# Altium PCB PortiloopV2Altium_PCB.PcbDoc
Units mm, origin at the board's own origin, x right, y up, seen from the top; angles counter-clockwise.
Board outline 64 x 48 mm, 2 copper layers (Top Layer, Bottom Layer), stack 0.711 mm thick; 82 components, 65 nets, 336 pads, 49 vias.
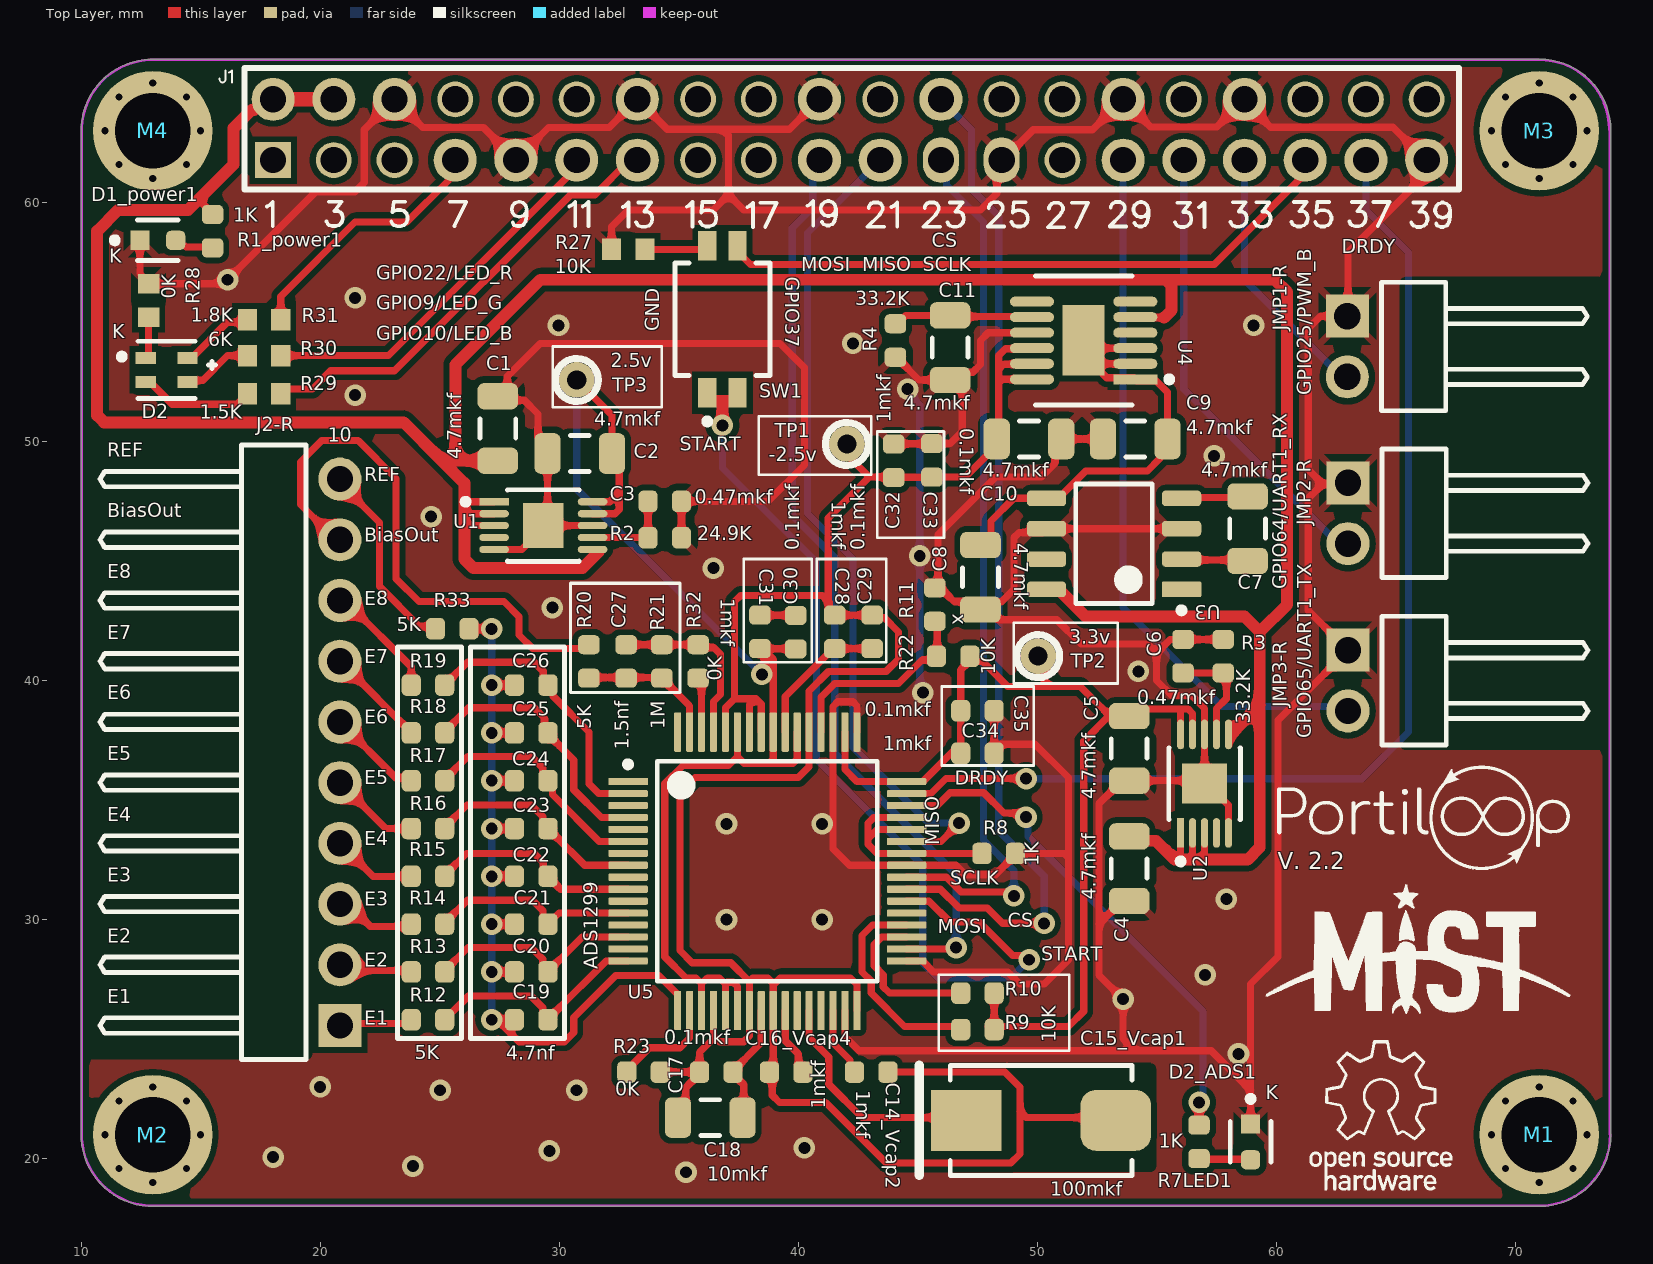
[diagram p0: Top Layer view]
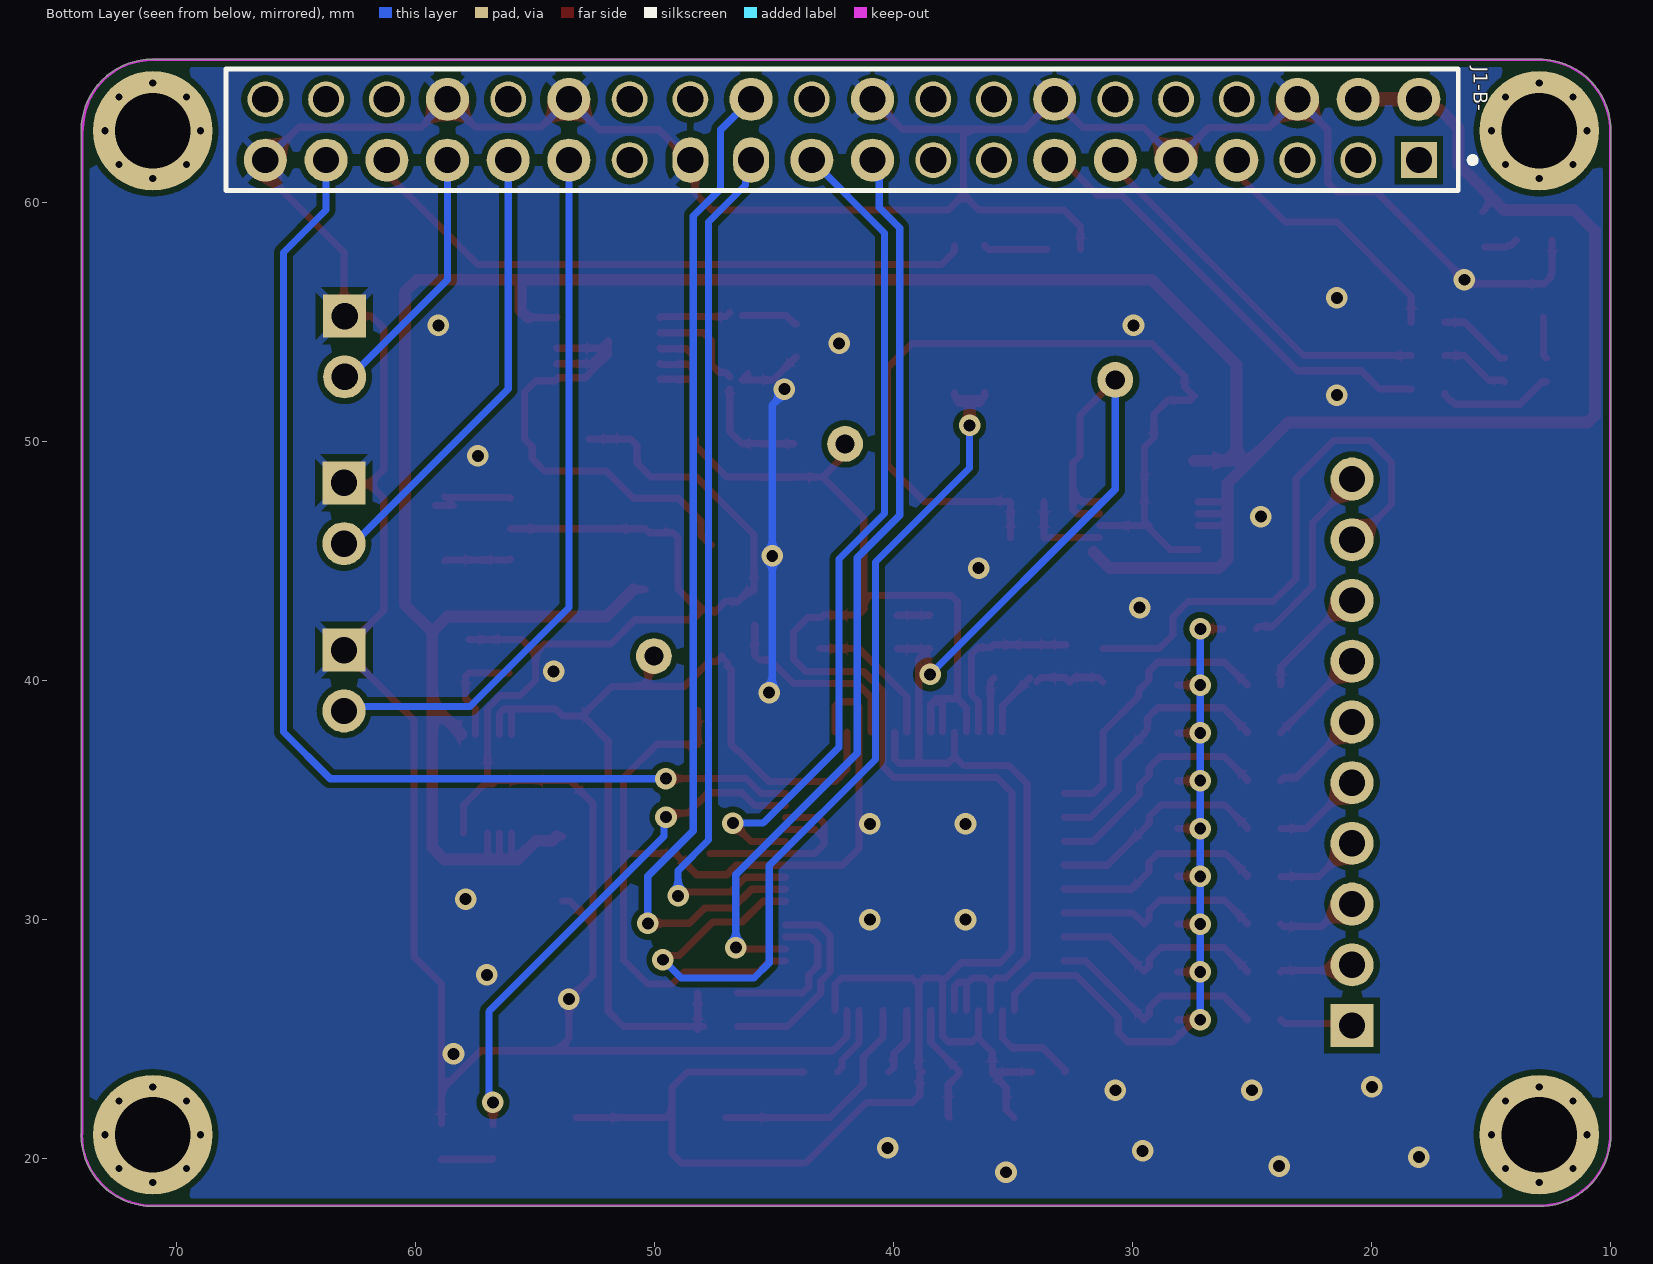
[diagram p1: Bottom Layer view, seen from below]

## Layer stack, top to bottom
Top Solder: solder mask 0.0102, Solder Resist, Dk 3.5
Top Layer: signal copper 0.0356
Dielectric 2: dielectric 0.32, FR-4, Dk 4.8
Dielectric 1: dielectric 0.32, FR-4, Dk 4.8
Bottom Layer: signal copper 0.0356
Bottom Solder: solder mask 0.0102, Solder Resist, Dk 3.5

## Board outline
10,21.065 10,62.991 9.999,62.992 cw(c13,63) 12.903,66 71,66 cw(c71,63) 74,63 74,21 cw(c71,21) 71,18 13.064,18 cw(c13,21)

## Design rules (kind name [scope] priority, off if disabled: settings)
Clearance [All] p1: gap=0.254 ignorepadtopadclearanceinfootprint=TRUE except(0.2: Track-Track Track-SMDPad SMDPad-SMDPad; 0.5: THPad-THPad)
ComponentClearance [All] p1: gap=0.3 collisioncheckmode=3 verticalgap=0.254 showdistances=TRUE checkcomponentboundary=TRUE
DiffPairsRouting [All] p1: maxlimit=0.4 minlimit=0.3 mostfreqgap=0.3 toplayer_minwidth=0.3 toplayer_maxwidth=0.6 toplayer_prefwidth=0.4 bottomlayer_minwidth=0.3 bottomlayer_maxwidth=0.6 bottomlayer_prefwidth=0.4 maxuncoupledlength=12.7
HoleSize [All] p1: absolutevalues=TRUE maxlimit=6.3 minlimit=0.15 maxpercent=80.000 minpercent=20.000
HoleToHoleClearance [All] p1: gap=0.5 allowstackedmicrovias=TRUE
MinimumSolderMaskSliver [All] p1: minsoldermaskwidth=0.3
PlaneClearance [All] p1: clearance=0.3
PlaneConnect [All] p1: planeconnectstyle=Relief reliefexpansion=0.5 reliefentries=4 reliefconductorwidth=0.3 reliefairgap=0.3
PolygonConnect [All] p1: connectstyle=Relief reliefconductorwidth=0.3 reliefentries=4 polygonreliefangle="45 Angle" airgapwidth=0.3
RoutingVias [All] p1: holewidth=0.5 width=0.9 viastyle="Through Hole" minholewidth=0.5 minwidth=0.9 maxholewidth=0.8 maxwidth=1
SilkToSilkClearance [All] p1: silktosilkclearance=0.26
SilkToSolderMaskClearance [IsPad] p1: minsilkscreentomaskgap=0.3 clearancetoexposedcopper=TRUE
SolderMaskExpansion [All] p1: expansion=0.1 istentingtop=FALSE
Width [All] p1: maxlimit=0.6 minlimit=0.3 preferedwidth=0.3
21 further rules are at their usual default settings.

## Components (designator, comment, footprint, x,y, rotation, side; value= is the part's Value field where it differs from the comment)
C1 "4.7mkf" C1206 27.432,50.546 r270 top value=4.7uF
C2 "4.7mkf" C1206 30.861,49.5 r0 top value=4.7uF
C3 "0.47mkf" 1608[0603]#1 34.417,47.498 r180 top value=0.47uF
C4 "4.7mkf" C1206 53.848,32.131 r90 top value=4.7uF
C5 "4.7mkf" C1206 53.848,37.164 r90 top value=4.7uF
C6 "0.47mkf" 1608[0603]#1 56.1,41.021 r90 top value=0.47uF
C7 "4.7mkf" C1206 58.801,46.355 r270 top value=4.7uF
C8 "4.7mkf" C1206 47.625,44.323 r90 top value=4.7uF
C9 "4.7mkf" C1206 54.101,50.109 r0 top value=4.7uF
C10 "4.7mkf" C1206 49.656,50.109 r180 top value=4.7uF
C11 "4.7mkf" C1206 46.355,53.928 r90 top value=4.7uF
C14_Vcap2 "1mkf" 1608[0603]#1 43.053,23.622 r180 top value=1uF
C15_Vcap1 "100mkf" KEMT-T491-D_M 50.165,21.6 r0 top
C16_Vcap4 "1mkf" 1608[0603]#1 39.497,23.622 r0 top value=1uF
C17 "0.1mkf" 1608[0603]#1 36.576,23.622 r180 top value=0.1uF
C18 "10mkf" C1206 36.322,21.717 r0 top value=10uF
C19 "4.7nf" 1608[0603]#1 28.829,25.81 r0 top value=4.7nF
C20 "4.7nf" 1608[0603]#1 28.829,27.81 r0 top value=4.7nF
C21 "4.7nf" 1608[0603]#1 28.829,29.81 r0 top value=4.7nF
C22 "4.7nf" 1608[0603]#1 28.829,31.81 r0 top value=4.7nF
C23 "4.7nf" 1608[0603]#1 28.829,33.81 r0 top value=4.7nF
C24 "4.7nf" 1608[0603]#1 28.829,35.81 r0 top value=4.7nF
C25 "4.7nf" 1608[0603]#1 28.829,37.81 r0 top value=4.7nF
C26 "4.7nf" 1608[0603]#1 28.829,39.81 r0 top value=4.7nF
C27 "1.5nf" 1608[0603]#1 32.8,40.8 r270 top value=1.5nF
C28 "1mkf" 1608[0603]#1 41.529,42.037 r270 top value=1uF
C29 "0.1mkf" 1608[0603]#1 43.1,42.037 r270 top value=0.1uF
C30 "0.1mkf" 1608[0603]#1 39.9,42.027 r270 top value=0.1uF
C31 "1mkf" 1608[0603]#1 38.4,42.037 r270 top value=1uF
C32 "1mkf" 1608[0603]#1 44,49.195 r270 top value=1uF
C33 "0.1mkf" 1608[0603]#1 45.593,49.214 r270 top value=0.1uF
C34 "1mkf" 1608[0603]#1 47.498,36.957 r180 top value=1uF
C35 "0.1mkf" 1608[0603]#1 47.498,38.735 r180 top value=0.1uF
D1_power1 "LTST-C190GKT" FP-LTST-C190GKT-MFG 13.208,58.42 r0 top
D2 "APTF1616SEJ3ZGGVBDC" FP-APTF1616SEJ3ZGGVBDC-MFG 13.575,53 r0 top
D2_ADS1 "LTST-C190GKT" FP-LTST-C190GKT-MFG 58.928,20.701 r270 top
J1-B- "SSQ-120-03-G-D" FP-SSQ-120-03-G-D-MFG 42.162,63.045 r180 bottom
J2-R "61301011021" 61301011021 18.058,37 r270 top
JMP1-R "61300211021" 61300211021 65.745,53.975 r90 top
JMP2-R "61300211021" 61300211021 65.77,47 r90 top
JMP3-R "61300211021" 61300211021 65.77,40 r90 top
M1 "Screw" "Board Screw_No Silk" 71,21 r0 top
M2 "Screw" "Board Screw_No Silk" 13,21 r0 top
M3 "Screw" "Board Screw_No Silk" 71,63 r0 top
M4 "Screw" "Board Screw_No Silk" 13,63 r0 top
R1_power1 "1K" 1608[0603]#1 15.5,58.8 r90 top
R2 "24.9K" 1608[0603]#1 34.417,45.974 r0 top
R3 "33.2K" 1608[0603]#1 57.785,41.021 r90 top
R4 "33.2K" 1608[0603]#1 44.069,54.229 r270 top
R7LED1 "1K" 1608[0603]#1 56.769,20.701 r270 top
R8 "1K" 1608[0603]#1 48.387,32.766 r0 top
R9 "10K" 1608[0603]#1 47.5,25.4 r180 top
R10 "10K" 1608[0603]#1 47.5,26.924 r180 top
R11 "x" 1608[0603]#1 45.72,43.18 r270 top
R12 "5K" 1608[0603]#1 24.511,25.81 r0 top
R13 "5K" 1608[0603]#1 24.511,27.81 r0 top
R14 "5K" 1608[0603]#1 24.511,29.81 r0 top
R15 "5K" 1608[0603]#1 24.511,31.81 r0 top
R16 "5K" 1608[0603]#1 24.511,33.81 r0 top
R17 "5K" 1608[0603]#1 24.511,35.81 r0 top
R18 "5K" 1608[0603]#1 24.511,37.81 r0 top
R19 "5K" 1608[0603]#1 24.511,39.81 r0 top
R20 "5K" 1608[0603]#1 31.242,40.8 r270 top
R21 "1M" 1608[0603]#1 34.3,40.8 r90 top
R22 "10K" 1608[0603]#1 46.482,41.021 r180 top
R23 "0K" 1608[0603]#1 33.528,23.622 r0 top
R27 "10K" 1608[0603]#2 32.893,58.039 r0 top
R28 "0K" 1608[0603]#2 12.822,55.9 r270 top
R29 "1.5K" 1608[0603]#2 17.653,52 r0 top
R30 "6K" 1608[0603]#2 17.653,53.594 r0 top
R31 "1.8K" 1608[0603]#2 17.653,55.1 r0 top
R32 "0K" 1608[0603]#1 35.814,40.8 r90 top
R33 "5K" 1608[0603]#1 25.527,42.164 r0 top
SW1 "A6H-2102" FP-A6H-2102-MFG 36.83,55.118 r0 top
TP1 "-2.5v" TESTPOINT1 42.037,49.9 r0 top
TP2 "3.3v" TESTPOINT1 50.038,41.021 r180 top
TP3 "2.5v" TESTPOINT1 30.734,52.578 r0 top
U1 "LT3042xMSE" FP-MSE-10-05-08-1664-IPC_C 29.337,46.482 r0 top
U2 "LT3042xMSE" FP-MSE-10-05-08-1664-IPC_C 57,35.687 r90 top
U3 "LM2662MX/NOPB" D0008A_M 53.213,45.72 r180 top
U4 "LT3094xMSE" FP-MSE-12-05-08-1666-IPC_A 51.943,54.229 r180 top
U5 "ADS1299" PAG0064A_M 38.707,32.021 r0 top

## Footprints (in the part's own frame and the unit in brackets; to place one, negate y for a bottom-side part, rotate by r counter-clockwise, add the part's x,y. Pads: shape width x height; smd on the part's side, far side on the other; paste and mask are expansions set on the pad)
1608[0603]#1 [mm] "Chip Capacitor, Body 1.6x0.8mm, IPC High Density"
  rrect50% 0.8x0.9 smd: 1(-0.7,0) 2(0.7,0)
  body extent -0.87,-0.48 0.87,0.48, height 1.3
1608[0603]#2 [mm]
  rect 0.8x0.9 smd: 1(-0.7,0) 2(0.7,0)
  body extent -0.87,-0.48 0.87,0.48, height 1.3
61300211021 [mm] "Pin Header, pitch 2.54 mm, THT, Angled, single row, 2p"
  rect 1.8x1.8 hole 1.1: 1(1.27,2.77)
  round 1.8 hole 1.1: 2(-1.27,2.77)
  silkscreen extent -2.69,-7.27 2.69,1.35, body extent -2.54,-7.27 2.54,3.09, height 2.58
61301011021 [mm] "Pin Header, pitch 2.54 mm, THT, Angled, single row, 10p"
  rect 1.8x1.8 hole 1.1: 1(11.43,2.77)
  round 1.8 hole 1.1: 2(8.89,2.77) 3(6.35,2.77) 4(3.81,2.77) 5(1.27,2.77) 6(-1.27,2.77) 7(-3.81,2.77) 8(-6.35,2.77) 9(-8.89,2.77) 10(-11.43,2.77)
  silkscreen extent -12.85,-7.27 12.85,1.35, body extent -12.7,-7.27 12.7,3.09, height 2.58
"Board Screw_No Silk" [mm]
  round 0.6 hole 0.3: S(-2,0) S(-1.414,-1.414) S(-1.414,1.414) S(0,-2) S(0,2) S(1.414,-1.414) S(1.414,1.414) S(2,0)
  round 5 hole 3.15 mask+0.1: S(0,0)
C1206 [mm] "Chip Capacitor, Body 3.2x1.6mm, IPC High Density"
  rrect50% 1.1x1.7 smd: 1(-1.35,0) 2(1.35,0)
  silkscreen extent -0.4,-0.75 0.4,0.75, body extent -1.7,-0.9 1.7,0.9, height 1.3
D0008A_M [mm] "SOIC, 8-Leads, Body 5x4mm, Pitch 1.27mm, IPC Low Density"
  rrect15% 1.65x0.65 smd: 1(-2.825,1.905)
  rrect50% 1.65x0.65 smd: 2(-2.825,0.635) 3(-2.825,-0.635) 4(-2.825,-1.905) 5(2.825,-1.905) 6(2.825,-0.635) 7(2.825,0.635) 8(2.825,1.905)
  silkscreen extent -2.95,-2.5 1.6,2.9, body extent -3,-2.45 3,2.45, height 1.63
FP-A6H-2102-MFG [mm]
  rect 0.76x1.25 smd paste+0 mask+0: 1(-0.635,-3.075) 2(0.635,-3.075) 3(0.635,3.075) 4(-0.635,3.075)
  silkscreen extent -1.98,-4.4 1.98,2.35, body extent -2.08,-3.8 2.08,3.8, height 0.25
FP-APTF1616SEJ3ZGGVBDC-MFG [mm]
  rect 0.85x0.5 smd paste+0 mask+0: 1(-0.875,0.5) 2(0.875,0.5) 3(0.875,-0.5) 4(-0.875,-0.5)
  silkscreen extent -2,-1.2 2.05,1.2, body extent -1.4,-1 1.4,1, height 0.25
FP-LTST-C190GKT-MFG [mm]
  rect 0.8x0.8 smd paste+0 mask+0: 1(-0.75,0)
  rrect50% 0.8x0.8 smd paste+0 mask+0: 2(0.75,0)
  silkscreen extent -1.92,-0.85 0.85,0.85, body extent -1.25,-0.55 1.25,0.55, height 0.25
FP-MSE-10-05-08-1664-IPC_C [mm]
  rect 1.24x0.3 smd paste+0 mask+0: 1(-2.06,1)
  rrect100% 1.24x0.3 smd paste+0 mask+0: 2(-2.06,0.5) 3(-2.06,0) 4(-2.06,-0.5) 5(-2.06,-1) 6(2.06,-1) 7(2.06,-0.5) 8(2.06,0) 9(2.06,0.5) 10(2.06,1)
  rect 1.68x1.88 smd paste-1000 mask+0: 11(0,0)
  silkscreen extent -3.37,-1.5 1.5,1.5, body extent -2.78,-1.6 2.78,1.6, height 0.25
FP-MSE-12-05-08-1666-IPC_A [mm]
  rect 1.84x0.42 smd paste+0 mask+0: 1(-2.16,1.625)
  rrect100% 1.84x0.42 smd paste+0 mask+0: 2(-2.16,0.975) 3(-2.16,0.325) 4(-2.16,-0.325) 5(-2.16,-0.975) 6(-2.16,-1.625) 7(2.16,-1.625) 8(2.16,-0.975) 9(2.16,-0.325) 10(2.16,0.325) 11(2.16,0.975) 12(2.16,1.625)
  rect 1.753x2.947 smd paste-1000 mask+0: 13(0,0)
  silkscreen extent -3.71,-2.7 2.02,2.7, body extent -3.58,-2.52 3.58,2.52, height 0.25
FP-SSQ-120-03-G-D-MFG [mm]
  rect 1.5x1.5 hole 1.1 paste-1000 mask+0: 1(24.13,-1.27)
  round 1.8 hole 1.1 paste-1000 mask+0: 2(24.13,1.27) 4(21.59,1.27) 6(19.05,1.27) 7(16.51,-1.27) 9(13.97,-1.27) 11(11.43,-1.27) 13(8.89,-1.27) 14(8.89,1.27) 19(1.27,-1.27) 20(1.27,1.27) 21(-1.27,-1.27) 24(-3.81,1.27) 29(-11.43,-1.27) 30(-11.43,1.27) 31(-13.97,-1.27) 33(-16.51,-1.27) 34(-16.51,1.27) 35(-19.05,-1.27) 37(-21.59,-1.27) 39(-24.13,-1.27)
  round 1.5 hole 1.1 paste-1000 mask+0: 3(21.59,-1.27) 5(19.05,-1.27) 8(16.51,1.27) 10(13.97,1.27) 12(11.43,1.27) 15(6.35,-1.27) 16(6.35,1.27) 17(3.81,-1.27) 18(3.81,1.27) 22(-1.27,1.27) 26(-6.35,1.27) 27(-8.89,-1.27) 28(-8.89,1.27) 32(-13.97,1.27) 36(-19.05,1.27) 38(-21.59,1.27) 40(-24.13,1.27)
  oval 1.5x1.9 hole 1.1 paste-1000 mask+0: 23(-3.81,-1.27) 25(-6.35,-1.27)
  silkscreen extent -25.78,-2.54 26.5,2.54, body extent -25.66,-2.48 25.66,2.47, height 8.64
KEMT-T491-D_M [mm] "Molded Capacitor, 2-Leads, Body 7.60x4.60mm, IPC Low Density"
  rect 2.95x2.55 smd: 1(-3.125,0)
  rrect50% 2.95x2.55 smd: 2(3.125,0)
  silkscreen extent -5.1,-2.3 3.8,2.3, body extent -3.8,-2.3 3.8,2.3, height 3.1
PAG0064A_M [mm] "QFP, 64-Leads, Body 10x10mm, Pitch 0.5mm, IPC Low Density"
  rect 1.65x0.3 smd: 1(-5.825,3.75)
  rrect33% 1.65x0.3 smd: 2(-5.825,3.25) 3(-5.825,2.75) 4(-5.825,2.25) 5(-5.825,1.75) 6(-5.825,1.25) 7(-5.825,0.75) 8(-5.825,0.25) 9(-5.825,-0.25) 10(-5.825,-0.75) 11(-5.825,-1.25) 12(-5.825,-1.75) 13(-5.825,-2.25) 14(-5.825,-2.75) 15(-5.825,-3.25) 16(-5.825,-3.75) 33(5.825,-3.75) 34(5.825,-3.25) 35(5.825,-2.75) 36(5.825,-2.25) 37(5.825,-1.75) 38(5.825,-1.25) 39(5.825,-0.75) 40(5.825,-0.25) 41(5.825,0.25) 42(5.825,0.75) 43(5.825,1.25) 44(5.825,1.75) 45(5.825,2.25) 46(5.825,2.75) 47(5.825,3.25) 48(5.825,3.75)
  rrect33% 0.3x1.65 smd: 17(-3.75,-5.825) 18(-3.25,-5.825) 19(-2.75,-5.825) 20(-2.25,-5.825) 21(-1.75,-5.825) 22(-1.25,-5.825) 23(-0.75,-5.825) 24(-0.25,-5.825) 25(0.25,-5.825) 26(0.75,-5.825) 27(1.25,-5.825) 28(1.75,-5.825) 29(2.25,-5.825) 30(2.75,-5.825) 31(3.25,-5.825) 32(3.75,-5.825) 49(3.75,5.825) 50(3.25,5.825) 51(2.75,5.825) 52(2.25,5.825) 53(1.75,5.825) 54(1.25,5.825) 55(0.75,5.825) 56(0.25,5.825) 57(-0.25,5.825) 58(-0.75,5.825) 59(-1.25,5.825) 60(-1.75,5.825) 61(-2.25,5.825) 62(-2.75,5.825) 63(-3.25,5.825) 64(-3.75,5.825)
  silkscreen extent -5.95,-4.6 4.6,4.6, body extent -6,-6 6,6, height 1.09
TESTPOINT1 [mm]
  round 1.5 hole 0.8: 1(0,0)
  silkscreen extent -0.9,-0.9 0.9,0.9

## Part data
C1 C2 C3 C4 C5 C6 C7 C8 C9 C10 C11 C14_Vcap2 C16_Vcap4 C17 C18 C19 C20 C21 C22 C23 C24 C25 C26 C27 C28 C29 C30 C31 C32 C33 C34 C35: library part "Cap Semi", LatestRevisionDate=29-May-2009, LatestRevisionNote="IPC-7351 Footprint Added.", PackageDescription="Chip Capacitor", PackageReference=C1206, Published=8-Jun-2000, Publisher="Altium Limited"
C15_Vcap1: library part CMP-1664-00011-1, "Capacitor, Tantalum, 100 uF, +/- 10%, -55 to 125 degC, 2-Pin SMD, RoHS, Tape and Reel", Capacitance=100uF, Case\Package=Radial, Max Operating Temperature="85 degC", Min Operating Temperature="-40 degC", Package Quantity=200, Tolerance=20%, Voltage Rating="50 V", ComponentLink1Description="Manufacturer URL", ComponentLink1URL=http://www.kemet.com/, ComponentLink2Description=Datasheet, ComponentLink2URL=http://www.kemet.com/Lists/ProductCatalog/Attachments/254/KEM_T2005_T491.pdf, DatasheetVersion=Jun-16, Diameter="5 mm", Height="11 mm", Lead Pitch="2 mm", Length="11 mm", Mount="Through Hole", PackageDescription="2-Pin Surface Mount Device, Body 7.3 x 4.3 mm", PackageReference=T491-D, Packaging=Bulk, Pins=2, Radiation Hardening=No, REACH SVHC="No SVHC", RoHSCompliant=true, Voltage Rating (DC)="50 V"
D1_power1 D2_ADS1: library part CMP-22017-000005-2, "LED GREEN CLEAR CHIP SMD", Case Code (Imperial)=0603, Case Code (Metric)=1608, Color=Green, Forward Current=30mA, Forward Voltage=2.1V, Lens Color=Colorless, Max Operating Temperature=85°C, Min Operating Temperature=-55°C, Package Quantity=1, Power Dissipation=100mW, Reverse Voltage=5V, Test Current=10mA, Voltage=2V, Case/Package=0603, Depth=0.8mm, Dominant Wavelength=569nm, Height=0.8mm, Illumination Color=Green, Lead Free="Lead Free", Length=1.6mm, Lens Style=Clear, Lens Transparency=Clear, Luminous Intensity=6mcd, Mount="Surface Mount", Number of Elements=1, Number of LEDs=1, Number of Pins=2, Packaging="Tape and Reel", Power Rating=100mW, Radiation Hardening=No, Viewing Angle=130°, Wavelength=565nm, Width=0.8mm
D2: library part CMP-44529-000025-1, "LED RGB CLEAR 4SMD", Case/Package=0606, Color=Blue, Forward Current=20mA, Forward Voltage=3.3V, Lens Color=Colorless, Max Operating Temperature=85°C, Min Operating Temperature=-40°C, Package Quantity=2000, Dominant Wavelength=470nm, Height=0.9mm, Illumination Color=Blue, Length=1.6mm, Lens Transparency=Clear, Luminous Intensity=140mcd, Mount="Surface Mount", Packaging="Tape and Reel", Test Current=20mA, Viewing Angle=120°, Width=1.6mm
J1-B-: library part CMP-02766-001530-1, "CONN RCPT 40POS 0.1 GOLD PCB", Color=Black, Contact Resistance=10mR, Max Current Rating=7.6A, Max Operating Temperature=125°C, Max Voltage Rating (AC)=550V, Min Operating Temperature=-55°C, Connector Type=Receptacle, Contact Material=Bronze, Contact Plating=Gold, Contact Type="Female Socket", Depth=4.95mm, Gender=Female, Housing Color=Black, Housing Material=Polymer, Lead Free="Lead Free", Length=51.31mm, Mount="Through Hole", Number of Contacts=40, Number of Positions=40, Number of Rows=2, Orientation=Straight, Packaging=Bulk, Pitch=0.1inch, Radiation Hardening=No, RoHS Compliant=Yes, Row Spacing=0.1inch, Series=SSQ, Termination=Solder, Width=4.95mm
J2-R: library part CMP-1502-01081-1, "THT Angled Pin Header WR-PHD, Pitch 2.54 mm, Single Row, 10 pins", Contact Resistance=20mOhm, Manufacturer="Wurth Elektronik", Operating Temperature=-40to105degC, Rated Current=3A, Withstanding Voltage=500VAC, Working Voltage=250VAC, Datasheet URL=https://katalog.we-online.de/em/datasheet/6130xx11021.pdf, Gender=Male, Manufacturer URL=http://www.we-online.de, Mounting Technology=THT, Orientation=Angled, Package Reference=61301011021, Packaging=Bag, Part Number=61301011021, Pin Number=10, Pitch=2.54mm, Publisher=WurthElektronik, Row Number=Single
JMP1-R JMP2-R JMP3-R: library part CMP-1502-01059-1, "THT Angled Pin Header WR-PHD, Pitch 2.54 mm, Single Row, 2 pins", Contact Resistance=20mOhm, Manufacturer="Wurth Elektronik", Operating Temperature=-40to105degC, Rated Current=3A, Withstanding Voltage=500VAC, Working Voltage=250VAC, Datasheet URL=https://katalog.we-online.de/em/datasheet/6130xx11021.pdf, Gender=Male, Manufacturer URL=http://www.we-online.de, Mounting Technology=THT, Orientation=Angled, Package Reference=61300211021, Packaging=Bag, Part Number=61300211021, Pin Number=2, Pitch=2.54mm, Publisher=WurthElektronik, Row Number=Single
M1 M2 M3 M4: library part "Board Screw", "Board Screw With Spacer"
R1_power1 R2 R3 R4 R7LED1 R8 R9 R10 R12 R13 R14 R15 R16 R17 R18 R19 R20 R21 R22 R23 R27 R28 R29 R30 R31 R32 R33: library part Res2, "Resistor", LatestRevisionDate=17-Jul-2002, LatestRevisionNote="Re-released for DXP Platform.", PackageDescription="Axial Device, Thru-Hole; 2 Leads; 0.4 in Pin Spacing", PackageReference=AXIAL-0.4, Published=8-Jun-2000, Publisher="Altium Limited"
R11: library part Res2, "Not Connected", LatestRevisionDate=17-Jul-2002, LatestRevisionNote="Re-released for DXP Platform.", PackageDescription="Axial Device, Thru-Hole; 2 Leads; 0.4 in Pin Spacing", PackageReference=AXIAL-0.4, Published=8-Jun-2000, Publisher="Altium Limited"